# Altium PCB HTBLEBMSALL24S100A_PCB_V0.2_260323.pcbdoc (part 2 of 7) (continued)
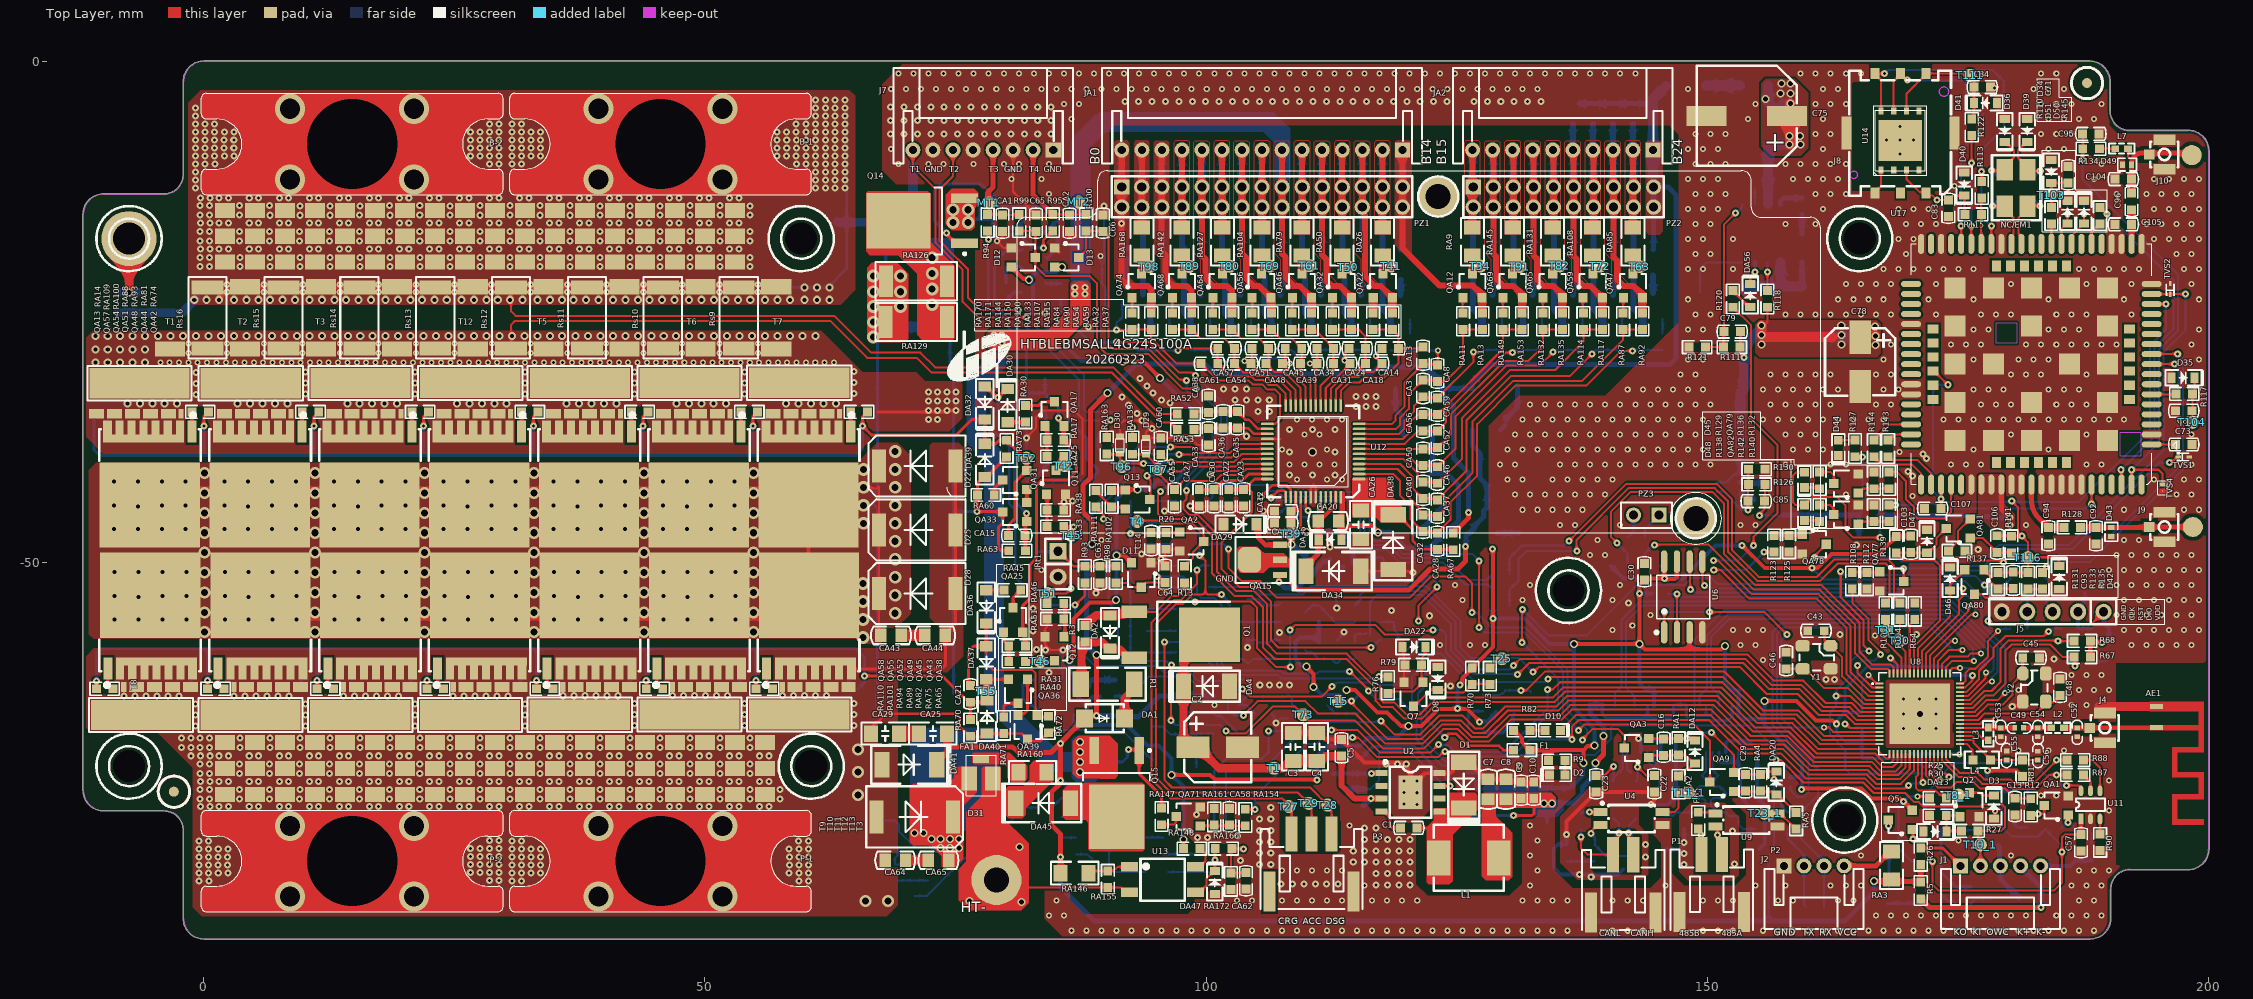
[diagram p0: Top Layer view]
## Footprints (in the part's own frame and the unit in brackets; to place one, negate y for a bottom-side part, rotate by r counter-clockwise, add the part's x,y. Pads: shape width x height; smd on the part's side, far side on the other; paste and mask are expansions set on the pad) (continued)
SMAF [mm]
  rect 1.7x1.8 smd: 1(-2,0) 2(2,0)
  silkscreen extent -1.9,-1.4 1.9,1.4
SMB/DO-214AA [mil] "DO-214-AA/SMB; 2 C-Bend Leads; Body 5.3 x 3.6 mm, inc. leads (LxW)"
  rect 60x100 smd: 1(0,0) 2(-215,0)
  silkscreen extent -268,-75 42,75, body extent -217,-78 3,77, height 104
SMC/DO-214AB [mil] "DO-214-AB/SMC; 2 C-Bend Leads; Body 7.9 x 5.9 mm, inc. leads (LxW)"
  rect 55x130 smd: 1(0,0) 2(300,0)
  silkscreen extent -40,-120 340,120, body extent -10,-120 310,120, height 94
SMD3225_4P [mil] "Crystal, L x W = 3.2x2.5mm"
  oct 55x45 smd: 1(-55,-45)
  rrect50% 55x45 smd: 2(55,-45) 3(55,45) 4(-55,45)
  silkscreen extent -67,-52 67,52, body extent -63,-49 63,49, height 24
SMD-EC6.3*6.3*10 [mm] "SMD-EC6.3*6.3*10mm"
  rect 3.3x2.132 smd: 1(0.021,0) 2(4.921,0)
  silkscreen extent -0.88,-3.5 5.84,3.5, body extent -1.09,-3.3 5.91,3.3, height 5.4
SMD-EC10*10*10 [mm] "SMD-EC10*10*10mm"
  rect 4x2 smd: 1(8,0) 2(0,0)
  silkscreen extent -1,-5 9,5, body extent -1.86,-5.12 9.74,5.18, height 10.2
SOD-123 [mil] "2pin,Onsemi"
  rect 40x50 smd: 1(0,0) 2(130,0)
  Top Layer pour cut-out: 15,30 45,30 45,-30 15,-30
  Top Layer pour cut-out: 115,-30 85,-30 85,30 115,30
  silkscreen extent -30,-35 165,35, body extent -11,-34 141,33
SOD-323 [mil]
  rect 32x40 smd: 1(0,0) 2(90,0)
  Top Layer pour cut-out: 80,-25 60,-25 60,25 80,25
  Top Layer pour cut-out: 10,25 30,25 30,-25 10,-25
  silkscreen extent -25,-30 120,30, body extent -8,-25 98,25, height 43
SOD-523 [mm] "塑封二极管"
  rect 0.6x0.8 smd: 1(-0.203,-0.425) 2(1.473,-0.425)
  silkscreen extent 0,-0.85 1.3,0, body extent -0.16,-0.83 1.44,-0.03, height 0.65
SOD-923 [mm]
  rect 0.52x0.26 smd paste+0.051: 1(-0.54,0) 2(0.54,0)
  silkscreen extent -0.7,-0.45 0.48,0.45
SOIC-8_L5.3-W5.3-P1.27-LS8.0-BL [mm]
  oval 0.63x2.25 smd: 1(-1.905,-3.53) 2(-0.635,-3.53) 3(0.635,-3.53) 4(1.905,-3.53) 5(1.905,3.53) 6(0.635,3.53) 7(-0.635,3.53) 8(-1.905,3.53)
  silkscreen extent -2.82,-3.68 2.64,2.18
SOT23 [mm]
  rect 0.9x0.95 smd: 1(0,0) 2(1.905,0) 3(0.953,2.413)
  silkscreen extent -0.57,0.91 2.25,2.38, body extent -0.54,-0.18 2.36,2.62, height 1.2
SOT23-5 [mil]
  rect 42x22 smd: 1(0,0)
  oval 42x22 smd: 2(0,-37.4) 3(0,-74.8) 4(110,-74.8) 5(110,0)
  silkscreen extent 30,-94 80,19, body extent 0,-94 110,20, height 57
SOT23-6 [mil] "pin to pin"
  rect 42x18 smd: 1(0,0)
  oval 42x18 smd: 2(0,-37.4) 3(0,-74.8) 4(110,-74.8) 5(110,-37.4) 6(110,0)
  silkscreen extent 30,-94 80,19, body extent 0,-94 110,20, height 57
SOT89 [mil]
  rrect50% 100x90 smd: 0(59.06,120)
  rect 25x55 smd: 1(0,0) 2(59.06,0) 3(118.11,0)
  silkscreen extent -31,-40 149,175, body extent -30,-10 151,157, height 63
SOT223 [mm]
  rect 1.1x2.5 smd paste+0.051: 1(5.451,0.809) 2(7.751,0.809) 3(10.051,0.809)
  rect 3.6x2.34 smd paste+0.051: 2(7.751,6.749)
  silkscreen extent 4.43,2.41 11.08,5.35, body extent 4.45,0.33 10.95,7.35, height 1.65
SSOP-4_L2.7-W4.6-P1.27-LS7.0-TL [mm]
  rect 1.4x0.8 smd: 1(-3.1,0.635) 2(-3.1,-0.635) 3(3.1,-0.635) 4(3.1,0.635)
  silkscreen extent -3.05,-1.35 2.3,1.65
TO-252 [mm]
  rect 2.7x0.95 smd: 1(-4.2,2.25) 3(-4.2,-2.25)
  rect 6.4x5.55 smd: 2(2.4,0)
  silkscreen extent -4.33,-3.35 -1.2,3.4, body extent -4.5,-3.35 5.6,3.35, height 2.4
TO-252-3_L6.5-W5.8-P4.58-BL [mm]
  rect 1.27x2.54 smd: 1(-2.288,-3.747) 3(2.288,-3.745)
  rect 5.4x6.1 smd: 2(-0.002,3.747)
  silkscreen extent -3.31,-1.46 3.3,5.9
TOLL-8_L10.4-W9.9-P1.20-LS11.7-BL [mm]
  rect 0.9x2.2 smd paste-100 mask+0.05: 1(-4.225,-3.65) 8(4.225,-3.65)
  rect 0.8x2.2 smd paste-100 mask+0.05: 2(-3,-3.65) 3(-1.8,-3.65) 4(-0.6,-3.65) 5(0.6,-3.65) 6(1.8,-3.65) 7(3,-3.65)
  rect 8.08x0.8 smd paste-100 mask+0.05: 8(0.64,-2.95)
  rect 10x8.5 smd paste-100 mask+0.05: 9(0,3.65)
  silkscreen extent -5.1,-5.5 5.04,-0.76, body extent -4.97,-3.76 4.93,7.92, height 2.31
TSOT-23-6 [mm]
  rect 0.8x0.532 smd paste+0.051: 1(1.2,-0.95) 2(1.2,0) 3(1.2,0.95) 4(-1.2,0.95) 5(-1.2,0) 6(-1.2,-0.95)
  silkscreen extent -0.88,-1.82 1.44,1.53
WCM-4532 [mm]
  rect 2.15x1.6 smd: 1(0,0) 2(3.65,2.25) 3(0,2.25) 4(3.65,0)
  Top Layer pour cut-out: -1.426,3.538 -1.401,3.563 5.076,3.563 5.076,-1.237 -1.426,-1.237
  silkscreen extent -1.42,-1.27 5.08,3.56, body extent -0.43,-0.53 4.17,2.69, height 2.8
铜条3*10 [mm]
  rect 10x3 smd mask+0.05: 1(0,0)
  silkscreen extent -5.2,-1.7 5.2,1.7

## Part data
B-1 B-2 P-1 P-2: library part TP
C1 C3 C4 C5 C6 C7 C8 C9 C10 C11 C12 C14 C16 C17 C18 C19 C20 C21 C22 C23 C24 C25 C29 C30 C33 C34 C35 C38 C39 C40 C43 C44 C45 C46 C48 C49 C52 C53 C54 C56 C63 C64 C65 C66 C67 C68 C69 C70 C71 C72 C73 C74 C76 C77 C79 C80 C81 C82 C83 C84 C85 C86 C87 C88 C89 C90 C91 C92 C93 C94 C95 C96 C97 C98 C99 C100 C101 C102 C103 C104 C105 C106 C107 C108 CA1 CA2 CA3 CA4 CA5 CA6 CA7 CA8 CA9 CA10 CA11 CA12 CA13 CA14 CA15 CA16 CA17 CA18 CA19 CA20 CA21 CA22 CA23 CA24 CA25 CA26 CA27 CA28 CA29 CA30 CA31 CA32 CA33 CA34 CA35 CA36 CA37 CA38 CA39 CA40 CA41 CA42 CA43 CA44 CA45 CA46 CA47 CA48 CA49 CA50 CA51 CA52 CA53 CA54 CA55 CA56 CA57 CA58 CA59 CA60 CA61 CA62 CA63 CA64 CA65: library part Cap, "Capacitor"
C2 C75 C78: "Polarized Capacitor (Axial)", LatestRevisionDate=17-Jul-2002, LatestRevisionNote="Re-released for DXP Platform.", PackageDescription="Polarized Capacitor; 2 Leads", PackageReference=POLAR0.8, Published=8-Jun-2000, Publisher="Altium Limited"
C13 C15 C26 C27 C28 C31 C32 C36 C37 C41 C42 C47 C50 C51 C55 C57 C58 C59 C60 C61 C62: library part CAP, "Capacitor"
D1 D32 D33 DA1 DA3 DA5 DA6 DA7 DA8 DA9 DA10 DA11 DA14 DA15 DA16 DA17 DA19 DA24 DA30 DA32 DA36 DA37 DA41 DA44 DA45 DA49 DA50 DA51 DA56: library part Diode, "Diode"
D2 D10 D44 D45 D48: library part LEDR, "Red LED"
D3 D7 D8 D9 D15 D16 D17 DA2 DA12 DA13 DA18 DA20 DA21 DA22 DA23 DA27 DA28 DA35 DA39 DA40 DA42 DA43 DA46 DA47 DA48: library part "D Zener", "Zener Diode"
D4 D5 D6 D29 D30 D34 D35 D36 D37 D38 D39 D40 D41 D42 D43 D46 D47 D49 D50 D51: library part "D TVS", "TVS Diode, bidirectional"
D11 D12 D13 D14: library part BAV199, "DUAL SURFACE MOUNT LOW LEAKAGE DIODE", value1=BAT54S,215
D18 D19 DA25 DA31 DA52 DA53 DA54: library part "D Schottky", "Schottky Diode, 3Pin"
D20 D21 D22 D23 D24 D25 D26 D27 D28 D31 DA4 DA26 DA29 DA33 DA34 DA38 DA55: library part "Diode TVS", "Uniderection TVS Diode"
EM1 NC/EM1: library part ACT45B, "EMC Components"
ESD1 ESD2: library part PESD1CAN, "CAN bus ESD protection diode in SOT23"
ET1 MT1 MT2 T1 T2 T3 T4 T5 T6_1 T7_1 T8_1 T9_1 T10_1 T11_1 T12 T13 T14 T14 T15 T16 T17_1 T18_1 T19_1 T20_1 T21_1 T22_1 T23_1 T24 T25 T26 T27 T28 T29 T30 T31 T32 T33 T34 T35 T36 T37 T38 T39 T40 T41 T42 T43 T44 T45 T46 T47 T48 T49 T50 T51 T52 T53 T54 T55 T56 T57 T58 T59 T60 T61 T62 T63 T64 T65 T66 T67 T68 T69 T70 T71 T72 T73 T74 T75 T76 T77 T78 T79 T80 T81 T82 T83 T84 T85 T86 T87 T88 T89 T90 T91 T92 T93 T94 T95 T96 T97 T98 T99 T100 T101 T102 T103 T104 T105 T106 T107 T108 T109 T110 T111 T112 T113 T114 T115 T116 T117 T118: library part TESTPOINT1
F1 F2 PTC1 PTC2: library part Fuse, "Fuse", LatestRevisionDate=17-Jul-2002, LatestRevisionNote="Re-released for DXP Platform.", PackageReference=PIN-W2/E2.8, Published=8-Jun-2000, Publisher="Altium Limited"
FA1: library part Fuse_SCP_SFK, "SFK Series Self Control Protector (SCP)", value01=SFK-0630, value02=SFK-1230, value03=SFK-1830, value04=SFK-3030, value05=SFK-4030, value06=SFK-5030, value11=SFK-1245, value12=SFK-1445, value13=SFK-2045, value14=SFK-3045, value15=SFK-4045, value16=SFK-5045, value21=SFK-1260, value22=SFK-1460, value23=SFK-2060, value24=SFK-3060, value25=SFK-4060, value26=SFK-5060
FB1 L7: library part Inductor, "Inductor", Code_IEC=1005, Code_JEITA=0402, LatestRevisionDate=29-May-2009, LatestRevisionNote="IPC-7351 Footprint Added.", PackageDescription="Chip Inductor", PackageReference=0402-A, Published=8-Jun-2000, Publisher="Altium Limited"
IRt1: library part CON2-1, "2Pin"
J1: library part "Header 5", "5P接插件", 封装库来自淘宝卖家 ID：黄晶宝石=最新版本发布https://item.taobao.com/item.htm?id=566775463719
J2: "Header, 4-Pin", LatestRevisionDate=17-Jul-2002, LatestRevisionNote="Re-released for DXP Platform.", Publisher="Altium Limited"
J4 J8 J9 J10: "NANO SIM 6Pin"
J5: library part CON5, "5Pin"
J7: library part CON8, "8Pin"
JA1: "Header, 15-Pin", LatestRevisionDate=17-Jul-2002, LatestRevisionNote="Re-released for DXP Platform.", Publisher="Altium Limited"
JA2: "Header, 10-Pin", LatestRevisionDate=17-Jul-2002, LatestRevisionNote="Re-released for DXP Platform.", Publisher="Altium Limited"
L1 L5 L6: library part Inductor2, "SMD  6.6*7.0*2.8"
L2 L3 L4: library part Inductor3, "Inductor Iron"
PZ3: "Header, 2-Pin", LatestRevisionDate=17-Jul-2002, LatestRevisionNote="Re-released for DXP Platform.", Publisher="Altium Limited"
Q1 Q9 Q15: library part PMOS-2, "P-Channel Power MOSFET", ComponentLink1Description="Manufacturer Link", ComponentLink1URL=http://www.irf.com/, DatasheetVersion=PD-9.390D, LatestRevisionDate=17-Jul-2002, LatestRevisionNote="Re-released for DXP Platform.", Note="Pin 4 not drawn and electrically connected to Pin 2.", PackageDescription="TO, Thru-Hole, Vertical, Heatsink Mounted; 3 In-Line Leads; Pitch 2.54 mm", PackageReference=TO-220AB, PackageVersion=Feb-1997, Published=8-Jun-2000, Publisher="Altium Limited"
Q2 Q4 Q6 Q7 Q8: library part NMOS-2, "N-Channel Power MOSFET", ComponentLink1Description="Manufacturer Link", ComponentLink1URL=http://www.irf.com/, DatasheetVersion=PD-9.814, LatestRevisionDate=17-Jul-2002, LatestRevisionNote="Re-released for DXP Platform.", Note="Pin 2 is electrically connected to pin 4.", PackageDescription="TO, Thru-Hole, Vertical, Heatsink Mounted; 3 In-Line Leads; Pitch 2.54 mm", PackageReference=TO-220AB, PackageVersion=Feb-1997, Published=8-Jun-2000, Publisher="Altium Limited"
Q3 Q5 Q16: library part 2N3906, "PNP General Purpose Amplifier", ComponentLink1Description="Manufacturer Link", ComponentLink1URL=http://www.fairchildsemi.com/, ComponentLink2Description=Datasheet, ComponentLink2URL=http://www.fairchildsemi.com/ds/2N%2F2N3906.pdf, DatasheetVersion=1997, LatestRevisionDate=15-Jan-2003, LatestRevisionNote="PCB Footprint 'BCY-W3/D4.7' replaced", PackageDescription="TO, Flat Index; 3 In-Line, Axial Leads; Body Dia. 4.5mm; Leads 0.51 x 0.48 mm (max)", PackageReference=TO-92A, PackageVersion=Sep-1998, Published=8-Jun-2000, Publisher="Altium Limited"
Q10 Q11 Q12 Q13 Q14: library part NMOS, "NMOSFET"
QA1 QA2 QA5 QA6 QA7 QA8 QA10 QA11 QA12 QA15 QA16 QA22 QA26 QA32 QA40 QA41 QA46 QA47 QA50 QA53 QA56 QA59 QA61 QA62 QA63 QA64 QA65 QA66 QA67 QA68 QA69 QA70 QA71 QA72 QA73 QA74 QA76 QA77 QA78 QA79 QA80 QA81 QA82: library part S8050LT1, "NPN Transistor"
QA3 QA9: library part IRLML6402, "HEXFET PMOSFET"
QA4 QA17 QA25 QA31 QA33 QA36 QA39 QA60: library part S8550LT1, "PNP Transistor"
QA13 QA14 QA18 QA19 QA20 QA21 QA23 QA24 QA27 QA28 QA29 QA30 QA34 QA35 QA37 QA38 QA42 QA43 QA44 QA45 QA48 QA49 QA51 QA52 QA54 QA55 QA57 QA58 QA75: library part NMOS_TOLL, "NMOSFET"
R1 R2 R3 R4 R5 R6 R7 R8 R9 R10 R11 R12 R13 R14 R15 R16 R17 R18 R19 R20 R21 R22 R23 R24 R25 R26 R27 R28 R29 R30 R31 R32 R33 R34 R35 R36 R37 R38 R39 R40 R41 R42 R43 R44 R45 R46 R47 R48 R49 R50 R51 R52 R53 R54 R55 R56 R57 R58 R59 R60 R61 R62 R63 R64 R65 R66 R67 R68 R69 R70 R71 R72 R73 R74 R75 R76 R77 R78 R79 R80 R81 R82 R83 R84 R85 R86 R87 R88 R89 R90 R91 R92 R93 R94 R95 R96 R97 R98 R99 R100 R101 R102 R103 R104 R105 R106 R107 R108 R109 R110 R111 R112 R113 R114 R115 R116 R117 R118 R119 R120 R121 R122 R123 R124 R125 R126 R127 R128 R129 R130 R131 R132 R133 R134 R135 R136 R137 R138 R139 R140 R141 R142 R143 R144 R145 RA1 RA2 RA3 RA4 RA5 RA6 RA7 RA8 RA9 RA10 RA11 RA12 RA13 RA14 RA15 RA16 RA17 RA18 RA19 RA20 RA21 RA22 RA23 RA24 RA25 RA26 RA27 RA28 RA29 RA30 RA31 RA32 RA33 RA34 RA35 RA36 RA37 RA38 RA39 RA40 RA41 RA42 RA43 RA44 RA45 RA46 RA47 RA48 RA49 RA50 RA51 RA52 RA53 RA54 RA55 RA56 RA57 RA58 RA59 RA60 RA61 RA62 RA63 RA64 RA65 RA66 RA67 RA68 RA69 RA70 RA71 RA72 RA73 RA74 RA75 RA76 RA77 RA78 RA79 RA80 RA81 RA82 RA83 RA84 RA85 RA86 RA87 RA88 RA89 RA90 RA91 RA92 RA93 RA94 RA95 RA96 RA97 RA98 RA99 RA100 RA101 RA102 RA103 RA104 RA105 RA106 RA107 RA108 RA109 RA110 RA111 RA112 RA113 RA114 RA115 RA116 RA117 RA118 RA119 RA120 RA121 RA122 RA123 RA124 RA125 RA126 RA127 RA128 RA129 RA130 RA131 RA132 RA133 RA134 RA135 RA136 RA137 RA138 RA139 RA140 RA141 RA142 RA143 RA144 RA145 RA146 RA147 RA148 RA149 RA150 RA151 RA152 RA153 RA154 RA155 RA156 RA157 RA158 RA159 RA160 RA161 RA162 RA163 RA164 RA165 RA166 RA167 RA168 RA169 RA170 RA171 RA172 RA173 RA174 RA175 Rs1 Rs2 Rs3 Rs4 Rs5 Rs6 Rs7 Rs8 Rs9 Rs10 Rs11 Rs12 Rs13 Rs14 Rs15 Rs16: library part Res2, "Resistor"
TVS1 TVS2: "TVS 5V 2.5PF SOD-923 RO", Manufacturer=Infineon, Part Number1=S00013500015, Part Number2=S00013500052, Part Number3=S00013500009, Geometry.Height=0.55mm, PCB DECAL=ESD9L5, Vendor1=toshiba, Vendor1 P/N=ESD9M5.0ST5G, Vendor2=toshiba, Vendor2 P/N=DF2S6.8UFS, Vendor3 P/N=ESD9L5.0ST5G
TVS3: library part DIO_DFN1006-2L_ESD5611N-2/TR_B_CH1, Part Number1=SX0151000111, Decal=DIO_DFN1006-2L_ESD5611N-2/TR_B_CH1, Geometry.Height=0.53mm, PCB DECAL=DIO_DFN1006-2L_ESD5611N-2/TR_B_CH1, Vendor1=韦尔半导体, Vendor1 P/N=ESD5611N-2/TR_B_CH1
TVS4: "BI-TVS 5V 50PF DFN1006-2L RO", Part Number1=SX0151000111, Decal=DIO_DFN1006-2L_ESD5611N-2/TR_B_CH1, Geometry.Height=0.53mm, PCB DECAL=DIO_DFN1006-2L_ESD5611N-2/TR_B_CH1, Vendor1=韦尔半导体, Vendor1 P/N=ESD5611N-2/TR_B_CH1
U2: "100V 2A DCDC"
U4 U9 U13: library part TLP521-1
U5: library part 74LVC2G17, "2bit Buffers Schmitt Trigger"
U6: library part M95128/256, "EEPROM,Serial SPI"
U10: library part AT24C0xM5/TR, "I2C-Compatible (2-wire) Serial EEPROM"
U11: Current - Supply=35nA, JLCPCB Part Class="Extended Part", Manufacturer=TI(德州仪器), Operating Temperature=-40℃~+105℃, Voltage - Supply=1.8V~5.5V, Add into BOM=yes, Convert to PCB=yes, Datasheet=https://www.ti.com/cn/lit/gpn/tpl5010, Device=TPL5010DDCR, LCSC Part Name=TPL5010DDCR, Manufacturer Part=TPL5010DDCR, Supplier=LCSC, Supplier Footprint=SOT-23-Thin-6, Supplier Part=C473912, Symbol=TPL5010DDCR
U15: "100V 2.5A DCDC"
U16: library part SY8105I, "High efficiency, 500kHz, 4.5-18V input, 5A synchronous step-down regulator"
U17: "8BAE00-A7670C_R2 _V1.01", Part Number1=S2-109SD, Decal=MOD_A7670C_R2_124, Geometry.Height="2.5 mm", PCB DECAL=MOD_A7670C_R2_124, Vendor=SIMCOM, Vendor1 P/N=S2-109SD
Y1 Y2: library part XTAL3, "Crystal Oscillator"

## Free pads (board coordinates)
  round 1.524 hole 3.2 unplated: 2(-7.456,-70.298) 2(59.6,-17.669) 2(60.6,-70.298) 2(136.15,-52.77) 2(163.71,-75.679) 2(165.205,-17.669)
  round 5.5 hole 3.2 unplated: 2(-7.456,-17.669)
  round 4 / inner oval 1.524x1.5 / far side round 1.524 hole 2.5 unplated: 2(123.15,-13.47)
  round 4 / inner round 1.524 / far side round 1.524 hole 2.5 unplated: 2(148.851,-45.58)
  round 5 hole 2.5: 3(79.079,-81.656)
  rect 1.5x0.96 smd: 6(-10.71,-35.152) 6(-8.918,-35.152) 6(-7.126,-35.152) 6(-6.716,-62.398) 6(-5.334,-35.152) 6(-4.924,-62.398) 6(-3.542,-35.152) 6(-3.132,-62.398) 6(-1.34,-62.398) 6(2.072,-35.152) 6(3.864,-35.152) 6(4.274,-62.398) 6(5.656,-35.152) 6(6.066,-62.398) 6(7.448,-35.152) 6(7.858,-62.398) 6(9.65,-62.398) 6(13.017,-35.152) 6(14.809,-35.152) 6(15.219,-62.398) 6(16.601,-35.152) 6(17.011,-62.398) 6(18.393,-35.152) 6(18.803,-62.398) 6(20.595,-62.398) 6(23.962,-35.152) 6(25.754,-35.152) 6(26.164,-62.398) 6(27.546,-35.152) 6(27.956,-62.398) 6(29.338,-35.152) 6(29.748,-62.398) 6(31.54,-62.398) 6(34.907,-35.152) 6(36.699,-35.152) 6(37.109,-62.398) 6(38.491,-35.152) 6(38.901,-62.398) 6(40.283,-35.152) 6(40.693,-62.398) 6(42.485,-62.398) 6(45.852,-35.152) 6(47.643,-35.152) 6(48.054,-62.398) 6(49.435,-35.152) 6(49.846,-62.398) 6(51.227,-35.152) 6(51.638,-62.398) 6(53.43,-62.398) 6(56.796,-35.152) 6(58.588,-35.152) 6(58.999,-62.398) 6(60.38,-35.152) 6(60.791,-62.398) 6(62.172,-35.152) 6(62.583,-62.398)
  rect 1.5x0.8 smd far side: 6(-8.877,-62.359) 6(-6.935,-62.359) 6(-4.993,-62.359) 6(-3.051,-62.359) 6(2.114,-62.359) 6(4.056,-62.359) 6(5.998,-62.359) 6(7.94,-62.359) 6(13.059,-62.359) 6(15.001,-62.359) 6(16.943,-62.359) 6(18.885,-62.359) 6(24.004,-62.359) 6(25.946,-62.359) 6(27.888,-62.359) 6(29.83,-62.359) 6(34.949,-62.359) 6(36.891,-62.359) 6(38.833,-62.359) 6(40.774,-62.359) 6(45.894,-62.359) 6(47.836,-62.359) 6(49.778,-62.359) 6(51.719,-62.359) 6(56.839,-62.359) 6(58.736,-62.359) 6(60.632,-62.359)
  rect 0.5x0.96 smd: 6(-7.985,-62.398) 6(-2.272,-35.152) 6(3.005,-62.398) 6(8.718,-35.152) 6(13.949,-62.398) 6(19.662,-35.152) 6(24.894,-62.398) 6(30.608,-35.152) 6(35.839,-62.398) 6(41.552,-35.152) 6(46.784,-62.398) 6(52.497,-35.152) 6(57.729,-62.398) 6(63.442,-35.152)
  rect 1.5x0.9 smd far side: 6(-7.507,-35.147) 6(-5.633,-35.147) 6(-3.759,-35.147) 6(-1.886,-35.147) 6(5.368,-35.147) 6(7.233,-35.147) 6(9.104,-35.147) 6(16.313,-35.147) 6(18.178,-35.147) 6(20.049,-35.147) 6(27.258,-35.147) 6(29.123,-35.147) 6(30.994,-35.147) 6(38.203,-35.147) 6(40.068,-35.147) 6(41.939,-35.147) 6(49.148,-35.147) 6(51.012,-35.147) 6(52.884,-35.147) 6(60.093,-35.147) 6(61.957,-35.147) 6(63.829,-35.147)
  rect 3x1.5 smd: 6(-3.367,-28.685) 6(4.126,-28.685) 6(4.126,-22.473) 6(11.696,-28.685) 6(11.696,-22.473) 6(19.266,-28.685) 6(19.266,-22.473) 6(26.835,-28.685) 6(26.835,-22.473) 6(34.405,-28.685) 6(34.405,-22.473) 6(41.974,-28.685) 6(41.974,-22.473) 6(49.544,-28.685) 6(49.544,-22.473) 6(57.113,-28.685) 6(57.113,-22.473)
  rect 3x1.5 smd far side: 6(-3.367,-28.685) 6(4.126,-28.685) 6(4.126,-22.441) 6(11.696,-28.685) 6(11.696,-22.441) 6(19.266,-28.685) 6(19.266,-22.441) 6(26.835,-28.685) 6(26.835,-22.441) 6(34.405,-28.685) 6(34.405,-22.441) 6(41.974,-28.685) 6(41.974,-22.441) 6(49.544,-28.685) 6(49.544,-22.441) 6(57.113,-28.685) 6(57.114,-22.441)
  rect 2x1.5 smd far side: 6(2.094,-83.415) 6(2.094,-75.685) 6(2.094,-73.108) 6(2.094,-70.531) 6(2.094,-67.954) 6(2.094,-20.013) 6(2.094,-17.436) 6(2.094,-14.859) 6(2.094,-11.555) 6(2.094,-3.825) 6(5.089,-83.415) 6(5.089,-80.838) 6(5.089,-78.262) 6(5.089,-75.685) 6(5.089,-73.108) 6(5.089,-70.531) 6(5.089,-67.954) 6(5.089,-20.013) 6(5.089,-17.436) 6(5.089,-14.859) 6(5.089,-11.555) 6(5.089,-8.978) 6(5.089,-6.401) 6(5.089,-3.825) 6(8.084,-83.415) 6(8.084,-80.838) 6(8.084,-78.262) 6(8.084,-75.685) 6(8.084,-73.108) 6(8.084,-70.531) 6(8.084,-67.954) 6(8.084,-20.013) 6(8.084,-17.436) 6(8.084,-14.859) 6(11.078,-73.108) 6(11.078,-70.531) 6(11.078,-67.954) 6(11.078,-20.013) 6(11.078,-17.436) 6(11.078,-14.859) 6(14.073,-73.108) 6(14.073,-70.531) 6(14.073,-67.954) 6(14.073,-20.013) 6(14.073,-17.436) 6(14.073,-14.859) 6(17.068,-73.108) 6(17.068,-70.531) 6(17.068,-67.954) 6(17.068,-20.013) 6(17.068,-17.436) 6(17.068,-14.859) 6(20.062,-75.685) 6(20.062,-73.108) 6(20.062,-70.531) 6(20.062,-67.954) 6(20.062,-20.013) 6(20.062,-17.436) 6(20.062,-14.859) 6(23.057,-73.108) 6(23.057,-70.531) 6(23.057,-67.954) 6(23.057,-20.013) 6(23.057,-17.436) 6(23.057,-14.859) 6(26.052,-83.415) 6(26.052,-75.685) 6(26.052,-73.108) 6(26.052,-70.531) 6(26.052,-67.954) 6(26.052,-20.013) 6(26.052,-17.436) 6(26.052,-14.859) 6(26.052,-11.555) 6(26.052,-3.825) 6(29.046,-83.415) 6(29.046,-75.685) 6(29.046,-73.108) 6(29.046,-70.531) 6(29.046,-67.954) 6(29.046,-20.013) 6(29.046,-17.436) 6(29.046,-14.859) 6(29.046,-11.555) 6(29.046,-3.825) 6(32.041,-83.415) 6(32.041,-75.685) 6(32.041,-73.108) 6(32.041,-70.531) 6(32.041,-67.954) 6(32.041,-20.013) 6(32.041,-17.436) 6(32.041,-14.859) 6(32.041,-11.555) 6(32.041,-3.825) 6(35.036,-83.415) 6(35.036,-75.685) 6(35.036,-73.108) 6(35.036,-70.531) 6(35.036,-67.954) 6(35.036,-20.013) 6(35.036,-17.436) 6(35.036,-14.859) 6(35.036,-11.555) 6(35.036,-3.825) 6(38.03,-73.108) 6(38.03,-70.531) 6(38.03,-67.954) 6(38.03,-20.013) 6(38.03,-17.436) 6(38.03,-14.859) 6(41.025,-73.108) 6(41.025,-70.531) 6(41.025,-67.954) 6(41.025,-20.013) 6(41.025,-17.436) 6(41.025,-14.859) 6(44.02,-73.108) 6(44.02,-70.531) 6(44.02,-67.954) 6(44.02,-20.013) 6(44.02,-17.436) 6(44.02,-14.859) 6(47.014,-73.108) 6(47.014,-70.531) 6(47.014,-67.954) 6(47.014,-20.013) 6(47.014,-17.436) 6(47.014,-14.859) 6(50.009,-73.108) 6(50.009,-70.531) 6(50.009,-67.954) 6(50.009,-20.013) 6(50.009,-17.436) 6(50.009,-14.859) 6(53.004,-73.108) 6(53.004,-70.531) 6(53.004,-67.954) 6(53.004,-20.013) 6(53.004,-17.436) 6(53.004,-14.859) 6(55.48,-11.555) 6(55.48,-8.978) 6(55.48,-6.401) 6(55.48,-3.825) 6(55.998,-83.415) 6(55.998,-80.838) 6(55.998,-78.262) 6(55.998,-75.685) 6(55.998,-73.108) 6(55.998,-70.531) 6(55.998,-67.954)
  rect 2x1.5 smd: 6(2.094,-73.108) 6(2.094,-70.531) 6(2.094,-67.954) 6(2.094,-20.013) 6(2.094,-17.436) 6(2.094,-14.859) 6(5.089,-73.108) 6(5.089,-70.531) 6(5.089,-67.954) 6(5.089,-20.013) 6(5.089,-17.436) 6(5.089,-14.859) 6(8.084,-73.108) 6(8.084,-70.531) 6(8.084,-67.954) 6(8.084,-20.013) 6(8.084,-17.436) 6(8.084,-14.859) 6(11.078,-73.108) 6(11.078,-70.531) 6(11.078,-67.954) 6(11.078,-20.013) 6(11.078,-17.436) 6(11.078,-14.859) 6(14.073,-73.108) 6(14.073,-70.531) 6(14.073,-67.954) 6(14.073,-20.013) 6(14.073,-17.436) 6(14.073,-14.859) 6(17.068,-73.108) 6(17.068,-70.531) 6(17.068,-67.954) 6(17.068,-20.013) 6(17.068,-17.436) 6(17.068,-14.859) 6(20.062,-73.108) 6(20.062,-70.531) 6(20.062,-67.954) 6(20.062,-20.013) 6(20.062,-17.436) 6(20.062,-14.859) 6(23.057,-73.108) 6(23.057,-70.531) 6(23.057,-67.954) 6(23.057,-20.013) 6(23.057,-17.436) 6(23.057,-14.859) 6(26.052,-73.108) 6(26.052,-70.531) 6(26.052,-67.954) 6(26.052,-20.013) 6(26.052,-17.436) 6(26.052,-14.859) 6(29.046,-73.108) 6(29.046,-70.531) 6(29.046,-67.954) 6(29.046,-20.013) 6(29.046,-17.436) 6(29.046,-14.859) 6(32.041,-73.108) 6(32.041,-70.531) 6(32.041,-67.954) 6(32.041,-20.013) 6(32.041,-17.436) 6(32.041,-14.859) 6(35.036,-73.108) 6(35.036,-70.531) 6(35.036,-67.954) 6(35.036,-20.013) 6(35.036,-17.436) 6(35.036,-14.859) 6(38.03,-73.108) 6(38.03,-70.531) 6(38.03,-67.954) 6(38.03,-20.013) 6(38.03,-17.436) 6(38.03,-14.859) 6(41.025,-73.108) 6(41.025,-70.531) 6(41.025,-67.954) 6(41.025,-20.013) 6(41.025,-17.436) 6(41.025,-14.859) 6(44.02,-73.108) 6(44.02,-70.531) 6(44.02,-67.954) 6(44.02,-20.013) 6(44.02,-17.436) 6(44.02,-14.859) 6(47.014,-73.108) 6(47.014,-70.531) 6(47.014,-67.954) 6(47.014,-20.013) 6(47.014,-17.436) 6(47.014,-14.859) 6(50.009,-73.108) 6(50.009,-70.531) 6(50.009,-67.954) 6(50.009,-20.013) 6(50.009,-17.436) 6(50.009,-14.859) 6(53.004,-73.108) 6(53.004,-70.531) 6(53.004,-67.954) 6(53.004,-20.013) 6(53.004,-17.436) 6(53.004,-14.859) 6(55.998,-73.108) 6(55.998,-70.531) 6(55.998,-67.954)
  rect 1.2x0.9 smd far side: 6(3.679,-35.147) 6(14.624,-35.147) 6(25.569,-35.147) 6(36.514,-35.147) 6(47.459,-35.147) 6(58.404,-35.147)
  rect 1x0.8 smd far side: 6(62.279,-62.359)
  rect 1.4x0.96 smd: 6(64.296,-62.398)
  round 2 smd: 8(198.33,-9.34) 8(198.435,-46.439)

## Via types
v1: diameter 0.7, hole 0.3, Top Layer to Bottom Layer, tented both sides, 1293 vias
v2: diameter 0.6, hole 0.3, Top Layer to Bottom Layer, tented both sides, 859 vias
v3: diameter 0.8, hole 0.4, Top Layer to Bottom Layer, tented both sides, 301 vias
v4: diameter 0.8, hole 0.5, Top Layer to Bottom Layer, tented both sides, 67 vias
v5: diameter 1.2, hole 0.7, Top Layer to Bottom Layer, tented both sides, 59 vias
v6: diameter 1.27, hole 0.711, Top Layer to Bottom Layer, tented both sides, 34 vias
v7: diameter 3, hole 2, Top Layer to Bottom Layer, tented both sides, 16 vias
v8: diameter 0.9, hole 0.6, Top Layer to Bottom Layer, tented both sides, 2 vias
v9: diameter 0.63, hole 0.3, Top Layer to Bottom Layer, tented both sides, 1 vias

## Nets (pads, with @x,y where several pads share a name; then routed paths per layer and width w, separated by ;. In a path a pad name is that pad's centre, name@x,y a point inside that pad or via, vN(x,y) a via of type N, cw(c..) or ccw(c..) an arc to the next point about the centre after c; other vN are vias at no path point)
5V+: C76.2 C77.2 C78.1 C79.1 C86.2 C87.2 C88.2 C89.2 L5.2 R111.1 R118.1 T102.1 U16.2 U16.4 | length 38.6
  Top Layer w0.2: C79.1@153.3,-26.953 153.3,-28.501 153.28,-28.52 153.28,-29.132 v1(153.66,-29.512) ; v4@155.608,-27.509 155.608,-26.373 155.983,-25.998 R118.1@155.983,-24.517
  Top Layer w1: v4(155.384,-27.285) v4(155.384,-26.358) ; v4@155.608,-27.509 162.51,-27.509 ; C78.1@165.24,-27.274 165.267,-27.301 v4@166.739,-27.301
  Bottom Layer w0.2: U16.2@150.892,-41.993 151.879,-41.993 152.715,-41.156 153.179,-41.156 U16.4@153.292,-41.043 ; U16.4@153.008,-40.893 153.292,-40.609
  Bottom Layer w0.54: 153.292,-38.349 C89.2@153.292,-39.238 153.292,-40.609 153.292,-41.039 U16.4@153.296,-41.043
  Bottom Layer w1: 153.292,-38.349 C88.2@153.292,-37.2 C87.2@153.292,-35.162 C86.2@153.292,-33.124 ; C86.2@153.292,-33.035 153.686,-32.642 C77.2@153.686,-30.834 153.66,-30.809 153.66,-28.445 C76.2@153.686,-28.42 ; C76.2@153.686,-28.293 155.039,-26.94 ; v4(155.384,-27.285) v4(155.384,-26.358) ; L5.2@159.452,-27.426 159.476,-27.45 163.924,-27.45 164.009,-27.535
  other v4: 166.768,-28.3 155.384,-28.211 163.39,-28.211 166.768,-27.373 163.39,-27.285 166.738,-26.447 163.36,-26.358
485WK: DA3.1 QA9.3 T20_1.1 | length 75.3
  Top Layer w0.2: v1(127.22,-56.489) 127.23,-56.479 127.23,-49.829 v1(127.24,-49.819) ; v1(137.13,-66.739) 137.71,-66.16 148.681,-66.16 150.269,-67.747 150.269,-71.866 QA9.3@150.244,-71.891
  Bottom Layer w0.2: DA3.1@100.701,-44.326 100.293,-43.918 DA3.1@100.293,-43.791 100.643,-43.442 100.643,-42.974 101.348,-42.269 107.202,-42.269 107.891,-42.957 115.351,-42.957 116.278,-43.885 116.278,-47.347 116.758,-47.827 118.338,-47.827 119.632,-49.12 126.541,-49.12 v1(127.24,-49.819) ; v1(127.22,-56.489) 127.338,-56.489 127.818,-56.97 129.38,-56.97 131.78,-56.97 135.61,-60.8 135.61,-65.219 v1(137.13,-66.739)
+13V: CA4.1 DA27.2 QA10.2 QA17.2 QA25.2 QA60.2 RA17.2 RA31.2 RA106.2 T32.1 | length 53.7
  Top Layer w0.3: RA31.2@81.957,-58.319 81.957,-57.176 QA25.2@81.703,-56.922 81.703,-54.303 82.445,-53.562 82.445,-50.178 83.098,-49.525 83.098,-42.282 83.606,-41.774 86.16,-41.774 87.08,-40.854 87.08,-39.051 RA17.2@85.79,-37.761 85.79,-36.414 QA17.2@85.841,-36.364 85.841,-36.339 v1@85.323,-35.821
  Bottom Layer w0.3: CA4.1@80.202,-34.332 81.023,-34.332 81.569,-33.785 81.569,-33.658 DA27.2@81.927,-33.3 ; QA60.2@81.675,-18.723 81.546,-18.853 RA106.2@80.024,-18.853 78.907,-19.97 78.907,-24.375 82.054,-27.523 DA27.2@82.054,-33.3 82.273,-33.082 QA10.2@83.877,-33.082 ; T32.1@83.912,-31.64 83.912,-33.047 QA10.2@83.877,-33.082 ; v1(85.247,-35.571) 85.247,-34.451 84.202,-33.407 84.202,-33.382 83.902,-33.082 QA10.2@83.877,-33.082
ACC: DA7.1 P3.2 R77.1 T29.1 | length 51.7
  Top Layer w0.2: v1(99.354,-49.292) 99.411,-49.292 99.912,-49.794 99.912,-52.94 ; v1(101.538,-53.178) 100.151,-53.178 99.912,-52.94 ; P3.2@110.52,-77.05 110.52,-74.601 110.23,-74.311 T29.1@110.23,-74.014 109.146,-72.93 96.482,-72.93 95.01,-71.458 95.01,-56.084 96.963,-54.131 97.665,-54.131 98.617,-53.178 99.674,-53.178 99.912,-52.94
  Bottom Layer w0.2: v1(99.354,-49.292) 99.354,-47.021 DA7.1@100.293,-46.081 ; v1(101.538,-53.178) 102.03,-53.67 102.03,-53.922 R77.1@102.361,-54.253
ANT_G: C96.1 C104.2 D49.2 J10.1 L7.1 pad.8@198.33,-9.34 | length 11.6
  Top Layer w0.2: L7.1@191.97,-8.69 191.97,-9.52 192.24,-9.79 192.24,-10.19 D49.2@192.34,-10.29 ; C96.1@192.32,-13.139 ccw(c192.272,-13.091) C96.1@192.34,-13.091 ; C96.1@192.323,-12.808 C96.1@192.329,-12.814
  Top Layer w0.5: C104.2@192.33,-11.74 D49.2@192.33,-10.434 ; C96.1@192.34,-13.091 C104.2@192.34,-11.74 ; D49.2@192.34,-10.29 192.34,-10.15 cw(c193.35,-10.15) 193.35,-9.14 198.13,-9.14 cw(c198.13,-9.34) pad.8@198.33,-9.34 ; J10.1@193.802,-9.292 J10.1@194.077,-9.27
ANT_GNSS: C96.2 C105.2 U17.90 | length 5.4
  Top Layer w0.2: C105.2@192.326,-16.041 192.326,-14.468 C96.2@192.329,-14.465
  Top Layer w0.5: C96.2@192.32,-14.79 192.32,-18.562 U17.90@192.326,-18.568
ANT_M: C92.2 D43.2 J9.1 pad.8@198.435,-46.439 R128.2 | length 11.2
  Top Layer w0.5: R128.2@187.226,-46.476 C92.2@188.773,-46.476 ; C92.2@188.79,-46.469 J9.1@194.047,-46.469 ; J9.1@194.077,-46.439 pad.8@198.435,-46.439
ANT_MAIN: C94.2 R128.1 U17.60 | length 6.4
  Top Layer w0.2: R128.1@185.543,-46.489 ccw(c185.543,-46.445) R128.1@185.575,-46.476
  Top Layer w0.5: U17.60@182.33,-42.199 182.33,-43.75 ccw(c184.87,-43.75) 183.074,-45.546 C94.2@184.018,-46.489 R128.1@185.543,-46.489
B0: DA52.2 DA54.1 JA1.15 PZ1.1 PZ1.2 QA74.2 RA171.1 RA174.1 T99.1 | length 27.9
  Top Layer w0.6: PZ1.2@91.55,-14.529 v1(91.55,-16.149) 91.55,-21.708 92.243,-22.401 94.175,-22.401 94.526,-22.752 QA74.2@94.526,-23.577 94.524,-23.579 94.524,-25.086 RA171.1@94.521,-25.088 ; PZ1.2@91.58,-14.529 JA1.15@91.58,-8.829
  Bottom Layer w0.6: PZ1.1@91.567,-12.516 JA1.15@91.567,-9.495 ; v1@91.58,-16.149 PZ1.2@91.58,-14.529 PZ1.1@91.58,-12.529 PZ1.1@91.58,-12.516 ; DA52.2@92.004,-19.7 92.004,-20.053 DA52.2@91.897,-20.159 91.897,-21.676 RA174.1@92.29,-22.069 ; DA54.1@92.104,-18.631 DA54.1@92.113,-18.622
B1: JA1.14 PZ1.3 PZ1.4 QA72.2 RA164.1 RA168.1 T97.1 | length 22.9
  Top Layer w0.6: JA1.14@93.58,-9.465 93.58,-16.573 RA168.1@93.587,-16.579
  Bottom Layer w0.6: PZ1.3@93.578,-12.529 93.578,-13.967 93.71,-14.099 93.71,-23.253 ; PZ1.3@93.58,-12.529 JA1.14@93.58,-9.566 ; RA164.1@94.457,-27.121 94.457,-25.066 94.459,-25.064
B2: JA1.13 PZ1.5 PZ1.6 QA68.2 RA150.1 RA152.1 T92.1 | length 28.3
  Top Layer w0.6: JA1.13@95.569,-8.829 95.569,-18.918 95.935,-19.284 95.935,-21.652 96.658,-22.375 98.045,-22.375 98.562,-22.893 RA150.1@98.562,-25.088
  Bottom Layer w0.6: RA152.1@95.42,-18.779 95.58,-18.618 PZ1.6@95.58,-14.529 PZ1.5@95.58,-12.529 JA1.13@95.58,-8.829
B3: JA1.12 PZ1.7 PZ1.8 QA66.2 RA140.1 RA142.1 T88.1 | length 25.7
  Top Layer w0.6: RA142.1@97.585,-16.579 JA1.12@97.585,-8.829
  Bottom Layer w0.6: PZ1.8@97.58,-14.529 PZ1.7@97.58,-12.529 ; PZ1.8@97.58,-14.529 97.58,-18.431 97.8,-18.65 97.8,-25.043 98.288,-25.531 98.319,-25.531 98.463,-25.674 QA66.2@98.463,-25.706 ; PZ1.7@97.58,-12.529 JA1.12@97.58,-9.539 ; RA140.1@98.407,-27.121 98.438,-27.089 98.438,-25.737 QA66.2@98.469,-25.706
B4: JA1.11 PZ1.9 PZ1.10 QA64.2 RA133.1 RA134.1 T83.1 | length 28.8
  Top Layer w0.6: PZ1.9@99.503,-12.529 JA1.11@99.503,-8.829 ; PZ1.9@99.58,-12.529 PZ1.10@99.58,-14.529 99.58,-19.358 99.946,-19.723 99.946,-21.667 100.654,-22.375 102.066,-22.375 102.562,-22.872 RA133.1@102.562,-25.088
  Bottom Layer w0.6: RA134.1@99.425,-19.202 RA134.1@99.425,-18.779 99.58,-18.624 PZ1.10@99.58,-14.529 PZ1.9@99.58,-12.529 JA1.11@99.58,-8.829
B5: JA1.10 PZ1.11 PZ1.12 QA62.2 RA124.1 RA127.1 T79.1 | length 26.9
  Top Layer w0.6: PZ1.11@101.58,-12.529 JA1.10@101.58,-8.351 ; RA127.1@101.616,-16.579 PZ1.11@101.616,-12.529
  Bottom Layer w0.6: JA1.10@101.58,-8.829 PZ1.11@101.58,-12.529 PZ1.12@101.58,-14.529 101.58,-21.127 101.874,-21.42 101.874,-25.111 102.293,-25.531 102.329,-25.531 102.468,-25.67 RA124.1@102.468,-27.121
B6: JA1.9 PZ1.13 PZ1.14 QA56.2 RA115.1 RA116.1 T74.1 | length 27.8
  Top Layer w0.6: JA1.9@103.58,-8.829 PZ1.13@103.58,-12.529 103.58,-19.149 103.967,-19.535 103.967,-21.606 104.736,-22.375 105.266,-22.375 106.292,-23.402 106.342,-23.402 106.492,-23.552 QA56.2@106.492,-23.577 106.528,-23.613 106.528,-25.065 RA115.1@106.505,-25.088
  Bottom Layer w0.6: RA116.1@103.431,-18.779 103.58,-18.63 PZ1.14@103.58,-14.529 PZ1.13@103.58,-12.529 JA1.9@103.58,-8.829
B7: JA1.8 PZ1.15 PZ1.16 QA50.2 RA99.1 RA104.1 T68.1 | length 25.7
  Top Layer w0.6: RA104.1@105.563,-16.579 PZ1.15@105.563,-12.529 ; PZ1.15@105.571,-12.52 105.58,-12.51 JA1.8@105.58,-8.829
  Bottom Layer w0.6: JA1.8@105.58,-9.549 PZ1.15@105.58,-12.529 PZ1.16@105.58,-14.529 105.58,-21.199 105.823,-21.442 105.823,-25.056 106.299,-25.531 106.338,-25.531 106.474,-25.666 QA50.2@106.474,-25.706 ; QA50.2@106.488,-25.706 106.52,-25.738 106.52,-27.089 RA99.1@106.552,-27.121